# Altium PCB PCB-SM01.PcbDoc (part 1 of 4) (continued)
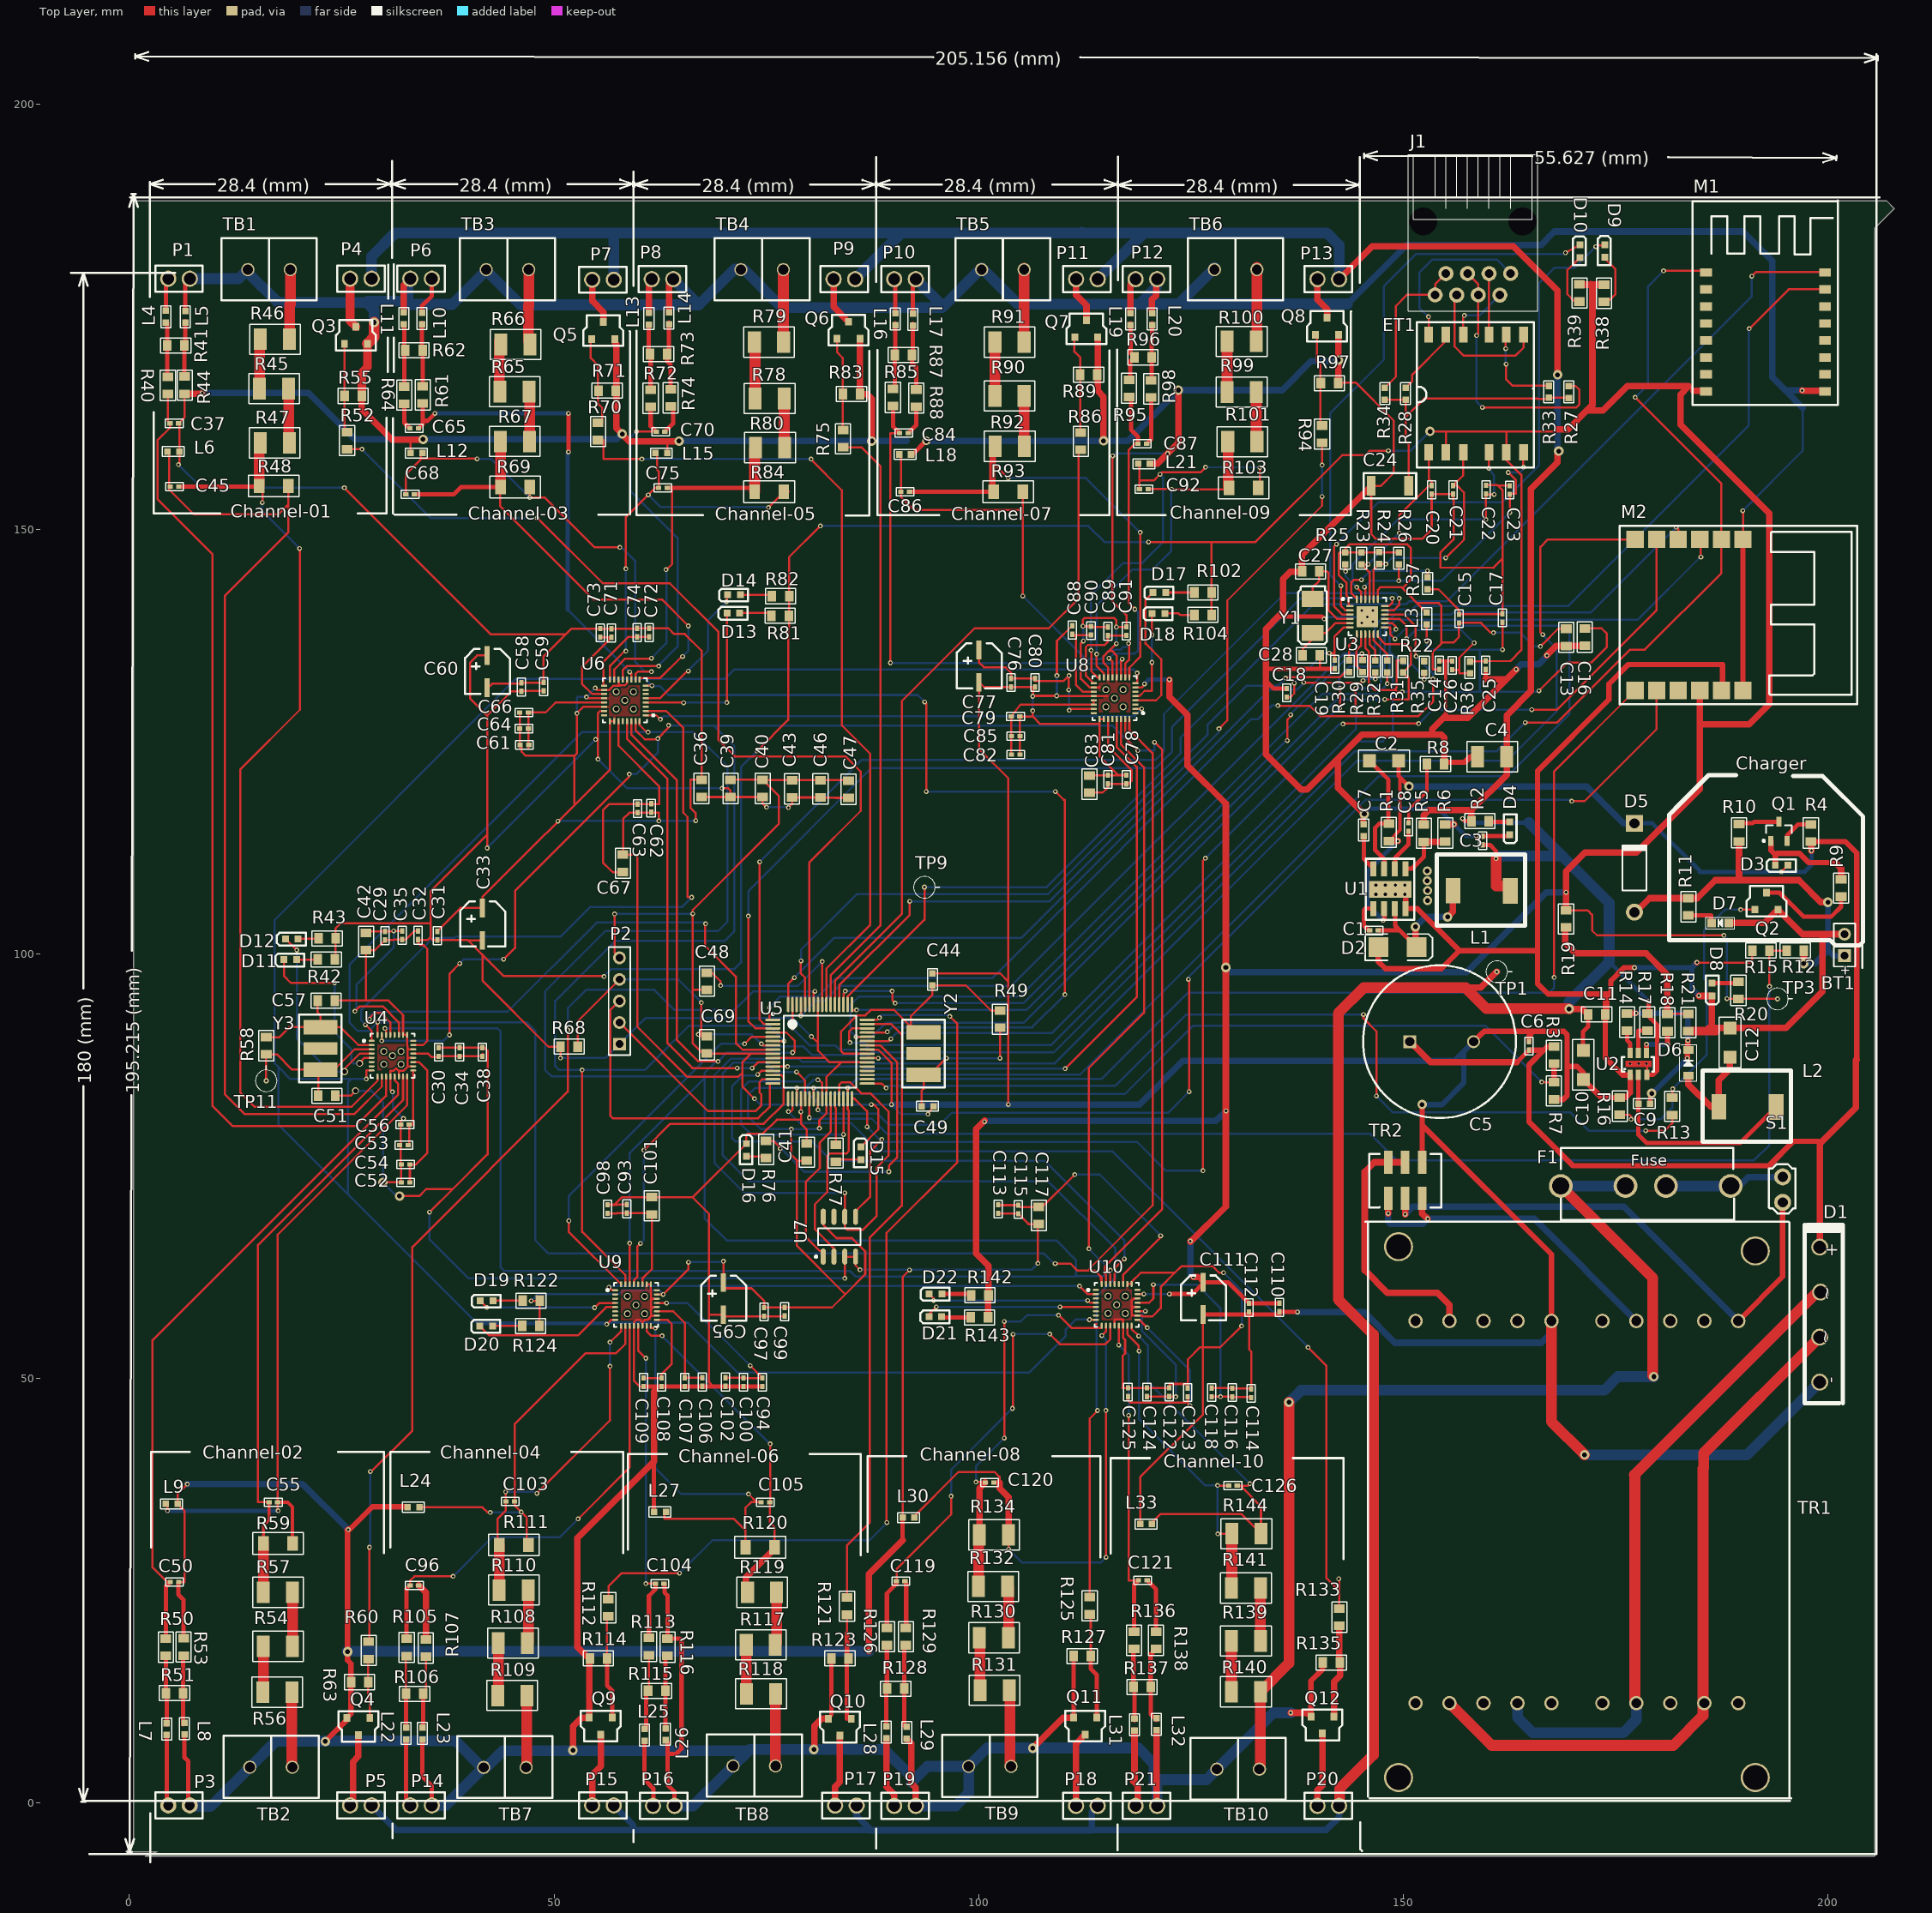
[diagram p0: Top Layer view]
## Components (designator, comment, footprint, x,y, rotation, side; value= is the part's Value field where it differs from the comment) (continued)
P5 "Header 2" BG090-header#1 28.516,-0.276 r180 top
P6 "Header 2" BG090-header#1 35.603,179.48 r180 top
P7 "Header 2" BG090-header#1 57.015,179.353 r180 top
P8 "Header 2" BG090-header#1 61.485,179.426 r0 top
P9 "Header 2" BG090-header#1 85.437,179.426 r180 top
P10 "Header 2" BG090-header#1 90.035,179.426 r0 top
P11 "Header 2" BG090-header#1 113.99,179.426 r180 top
P12 "Header 2" BG090-header#1 118.457,179.426 r0 top
P13 "Header 2" BG090-header#1 142.41,179.426 r180 top
P14 "Header 2" BG090-header#1 33.063,-0.276 r0 top
P15 "Header 2" BG090-header#1 57.015,-0.276 r180 top
P16 "Header 2" BG090-header#1 61.638,-0.33 r0 top
P17 "Header 2" BG090-header#1 85.615,-0.305 r180 top
P18 "Header 2" BG090-header#1 113.987,-0.33 r180 top
P19 "Header 2" BG090-header#1 90.035,-0.33 r0 top
P20 "Header 2" BG090-header#1 142.41,-0.33 r180 top
P21 "Header 2" BG090-header#1 118.457,-0.33 r0 top
Q1 "FMMT597" SOT-23B_L 194.204,114.415 r90 top
Q2 "MMBT2222" MMBT2222 191.38,105.202 r0 top
Q3 "MMBT2222" MMBT2222 25.315,171.826 r0 top
Q4 "MMBT2222" MMBT2222 28.295,10.015 r180 top
Q5 "MMBT2222" MMBT2222 54.428,172.371 r0 top
Q6 "MMBT2222" MMBT2222 83.303,172.41 r0 top
Q7 "MMBT2222" MMBT2222 111.303,172.593 r0 top
Q8 "MMBT2222" MMBT2222 139.642,172.872 r0 top
Q9 "MMBT2222" MMBT2222 56.836,10.061 r180 top
Q10 "MMBT2222" MMBT2222 84.987,9.939 r180 top
Q11 "MMBT2222" MMBT2222 113.866,10.061 r180 top
Q12 "MMBT2222" MMBT2222 141.807,10.193 r180 top
R1 "100K" 0805R-0R1 148.28,115.05 r270 top
R2 "150R" 0805R-68 158.237,115.609 r0 top
R3 "100K" 0805R-0R1 167.711,87.288 r90 top
R4 "47R" 0805R-0R1 197.963,114.974 r270 top
R5 "52.5K" 0805R-0R1 152.395,114.949 r270 top
R6 "10k/1%" 0805R-0R1 154.91,113.45 r90 top
R7 "27K" 0805R-0R1 167.711,83.097 r90 top
R8 "10k/1%" 0805R-0R1 154.529,122.34 r180 top
R9 "1K" 0805R-0R1 201.519,106.973 r90 top
R10 "10R" 0805R-0R1 189.505,113.476 r90 top
R11 "10R" 0805R-0R1 183.536,104.763 r90 top
R12 "57.6K" 0805R-0R1 195.347,100.369 r0 top
R13 "10K" 0805R-0R1 181.631,82.792 r270 top
R14 "0/125W" 0805R-0R1 176.322,92.724 r270 top
R15 "27K" 0805R-0R1 191.308,100.369 r0 top
R16 "10K" 0805R-0R1 175.458,81.294 r90 top
R17 "100K" 0805R-0R1 178.71,91.2 r90 top
R18 "75K/1%/.125W" 0805R-0R1 181.072,92.648 r270 top
R19 "40.2K/1%/.125W" 0805R-0R1 169.134,104.865 r270 top
R20 "60" 0805R-68 189.428,94.934 r90 top
R21 "13K" 0805R-0R1 183.536,91.149 r90 top
R22 "1.5K" 0603R-0R 149.931,133.11 r90 top
R23 "49.9" 0603R-0R 145.055,145.861 r90 top
R24 "49.9" 0603R-0R 147.137,145.886 r90 top
R25 "49.9" 0603R-0R 143.15,145.861 r90 top
R26 "49.9" 0603R-0R 149.449,145.861 r90 top
R27 "75/1%/.125W" 0603R-0R 169.464,166.841 r270 top
R28 "75/1%/.125W" 0603R-0R 150.236,165.241 r90 top
R29 "100" 0603R-0R 145.182,133.186 r90 top
R30 "100" 0603R-0R 143.607,134.558 r270 top
R31 "100" 0603R-0R 148.103,134.532 r270 top
R32 "100" 0603R-0R 146.68,134.532 r270 top
R33 "75/1%/.125W" 0603R-0R 167.102,165.469 r90 top
R34 "75/1%/.125W" 0603R-0R 147.798,166.638 r270 top
R35 "33" 0603R-0R 152.446,134.456 r270 top
R36 "4.7k" 0603R-0R 157.805,133.008 r90 top
R37 "12.1k" 0603R-0R 152.827,142.914 r90 top
R38 "60" 0805R-68 173.604,177.001 r90 top
R39 "60" 0805R-68 170.713,177.038 r90 top
R40 "1K" 0805C-GENERIC 4.516,166.155 r90 top
R41 "18.7" 0805R-10 6.218,171.616 r180 top
R42 "220" 0805C-GENERIC 22.403,99.339 r0 top
R43 "220" 0805C-GENERIC 22.504,101.803 r0 top
R44 "1K" 0805C-GENERIC 6.498,166.181 r90 top
R45 "270K/1%/ .250W" 1210R-GENERIC 18.74,166.536 r180 top
R46 "270K/1%/ .250W" 1210R-GENERIC 15.413,172.353 r0 top
R47 "270K/1%/ .250W" 1210R-GENERIC 15.388,160.161 r0 top
R48 "470/1%/.250W" 1206FB-GENERIC 15.286,155.081 r0 top
R49 "1M" 0805R-12 102.484,91.53 r90 top
R50 "1K" 0805C-GENERIC 4.288,19.115 r270 top
R51 "18.7" 0805R-10 6.066,12.942 r180 top
R52 "470" 0805R-39 25.624,159.653 r90 top
R53 "1K" 0805C-GENERIC 6.371,19.14 r270 top
R54 "270K/1%/ .250W" 1210R-GENERIC 19.198,18.454 r180 top
R55 "2K" 0805R-180 27.097,165.673 r180 top
R56 "270K/1%/ .250W" 1210R-GENERIC 15.692,13.044 r0 top
R57 "270K/1%/ .250W" 1210R-GENERIC 15.769,24.804 r0 top
R58 "1M" 0805FB-GENERIC 16.104,89.941 r270 top
R59 "470/1%/.250W" 1206FB-GENERIC 15.769,30.57 r0 top
R60 "470" 0805R-39 28.164,18.734 r270 top
R61 "1K" 0805C-GENERIC 34.514,165.038 r90 top
R62 "18.7" 0805R-10 32.736,171.057 r0 top
R63 "2K" 0805R-180 26.335,14.238 r0 top
R64 "1K" 0805C-GENERIC 32.355,165.012 r90 top
R65 "270K/1%/ .250W" 1210R-GENERIC 47.061,166.181 r180 top
R66 "270K/1%/ .250W" 1210R-GENERIC 43.731,171.729 r0 top
R67 "270K/1%/ .250W" 1210R-GENERIC 43.658,160.313 r0 top
R68 "10k" 0805R-27 52.522,89.066 r180 top
R69 "470/1%/.250W" 1206FB-GENERIC 43.709,154.954 r0 top
R70 "470" 0805R-39 55.169,160.731 r90 top
R71 "2K" 0805R-180 56.998,166.294 r180 top
R72 "1K" 0805C-GENERIC 61.362,164.631 r90 top
R73 "18.7" 0805R-10 63.063,170.6 r180 top
R74 "1K" 0805C-GENERIC 63.724,164.682 r90 top
R75 "470" 0805R-39 84.018,159.881 r90 top
R76 "220" 0805R-120 74.951,76.188 r90 top
R77 "220" 0805R-12 83.155,75.757 r90 top
R78 "270K/1%/ .250W" 1210R-GENERIC 77.084,165.368 r180 top
R79 "270K/1%/ .250W" 1210R-GENERIC 73.579,172.023 r0 top
R80 "270K/1%/ .250W" 1210R-GENERIC 73.706,159.602 r0 top
R81 "220" 0805R-10 75.844,139.802 r0 top
R82 "220" 0805R-10 75.89,142.101 r0 top
R83 "2K" 0805R-180 85.771,165.901 r180 top
R84 "470/1%/.250W" 1206FB-GENERIC 73.604,154.395 r0 top
R85 "1K" 0805C-GENERIC 89.886,164.733 r90 top
R86 "470" 0805R-39 112.009,159.577 r90 top
R87 "18.7" 0805R-10 91.867,170.499 r180 top
R88 "1K" 0805C-GENERIC 92.629,164.657 r90 top
R89 "2K" 0805R-180 113.69,168.173 r180 top
R90 "270K/1%/ .250W" 1210R-GENERIC 105.329,165.673 r180 top
R91 "270K/1%/ .250W" 1210R-GENERIC 101.9,172.023 r0 top
R92 "270K/1%/ .250W" 1210R-GENERIC 101.925,159.754 r0 top
R93 "470/1%/.250W" 1206FB-GENERIC 101.747,154.403 r0 top
R94 "470" 0805R-39 140.406,160.415 r90 top
R95 "1K" 0805C-GENERIC 117.678,165.811 r90 top
R96 "18.7" 0805R-10 120.086,170.219 r180 top
R97 "2K" 0805R-180 142.037,167.183 r180 top
R98 "1K" 0805C-GENERIC 120.29,165.749 r90 top
R99 "270K/1%/ .250W" 1210R-GENERIC 132.659,166.13 r180 top
R100 "270K/1%/ .250W" 1210R-GENERIC 129.23,172.099 r0 top
R101 "270K/1%/ .250W" 1210R-GENERIC 129.307,160.288 r0 top
R102 "220" 0805R-10 125.624,142.533 r0 top
R103 "470/1%/.250W" 1206FB-GENERIC 129.459,154.852 r0 top
R104 "220" 0805R-10 125.624,139.892 r0 top
R105 "1K" 0805C-GENERIC 32.634,19.089 r270 top
R106 "18.7" 0805R-10 34.336,12.866 r180 top
R107 "1K" 0805C-GENERIC 34.895,19.013 r270 top
R108 "270K/1%/ .250W" 1210R-GENERIC 46.858,18.835 r180 top
R109 "270K/1%/ .250W" 1210R-GENERIC 43.353,12.663 r0 top
R110 "270K/1%/ .250W" 1210R-GENERIC 43.531,25.084 r0 top
R111 "470/1%/.250W" 1206FB-GENERIC 43.556,30.392 r0 top
R112 "470" 0805R-39 56.383,23.763 r270 top
R113 "1K" 0805C-GENERIC 61.158,19.191 r270 top
R114 "2K" 0805R-180 54.453,17.032 r0 top
R115 "18.7" 0805R-10 62.835,13.222 r180 top
R116 "1K" 0805C-GENERIC 63.343,19.115 r270 top
R117 "270K/1%/ .250W" 1210R-GENERIC 76.043,18.632 r180 top
R118 "270K/1%/ .250W" 1210R-GENERIC 72.639,12.866 r0 top
R119 "270K/1%/ .250W" 1210R-GENERIC 72.766,24.804 r0 top
R120 "470/1%/.250W" 1206FB-GENERIC 75.967,30.113 r180 top
R121 "470" 0805R-39 84.476,23.941 r270 top
R122 "220" 0805C-GENERIC 46.528,59.145 r0 top
R123 "2K" 0805R-180 82.875,17.032 r0 top
R124 "220" 0805C-GENERIC 46.477,56.173 r0 top
R125 "470" 0805R-39 113.051,23.991 r270 top
R126 "1K" 0805C-GENERIC 89.175,20.359 r270 top
R127 "2K" 0805R-180 111.4,17.311 r0 top
R128 "18.7" 0805R-10 90.973,13.464 r180 top
R129 "1K" 0805C-GENERIC 91.41,20.359 r270 top
R130 "270K/1%/ .250W" 1210R-GENERIC 103.495,19.459 r180 top
R131 "270K/1%/ .250W" 1210R-GENERIC 100.143,13.286 r0 top
R132 "270K/1%/ .250W" 1210R-GENERIC 99.965,25.504 r0 top
R133 "470" 0805R-39 142.438,22.645 r270 top
R134 "470/.1%/.5W" 1210C-GENERIC 100.066,31.574 r0 top
R135 "2K" 0805R-180 140.737,16.549 r0 top
R136 "1K" 0805C-GENERIC 118.278,19.916 r270 top
R137 "18.7" 0805R-10 119.98,13.667 r180 top
R138 "1K" 0805C-GENERIC 120.869,19.916 r270 top
R139 "270K/1%/ .250W" 1210R-GENERIC 133.163,19.078 r180 top
R140 "270K/1%/ .250W" 1210R-GENERIC 129.734,13.109 r0 top
R141 "270K/1%/ .250W" 1210R-GENERIC 129.734,25.326 r0 top
R142 "220" 0805C-GENERIC 99.36,59.78 r0 top
R143 "220" 0805C-GENERIC 99.309,57.189 r0 top
R144 "470/.1%/.5W" 1210C-GENERIC 129.789,31.713 r0 top
S1 "Power On" PowerSwitch220v/5A 194.635,73.725 r270 top
TB1 "TerminalBlock" "Terminal Block 2x5mm" 18.944,180.557 r180 top
TB2 "TerminalBlock" "Terminal Block 2x5mm" 19.168,4.23 r180 top
TB3 "TerminalBlock" "Terminal Block 2x5mm" 47.007,180.557 r180 top
TB4 "TerminalBlock" "Terminal Block 2x5mm" 76.983,180.557 r180 top
TB5 "TerminalBlock" "Terminal Block 2x5mm" 105.329,180.557 r180 top
TB6 "TerminalBlock" "Terminal Block 2x5mm" 132.736,180.557 r180 top
TB7 "TerminalBlock" "Terminal Block 2x5mm" 46.701,4.193 r180 top
TB8 "TerminalBlock" "Terminal Block 2x5mm" 76.06,4.371 r180 top
TB9 "TerminalBlock" "Terminal Block 2x5mm" 103.796,4.32 r180 top
TB10 "TerminalBlock" "Terminal Block 2x5mm" 133.032,3.99 r180 top
TP1 "TESTPOINT" TESTPOINT 160.98,97.88 r0 top
TP3 "TESTPOINT" TESTPOINT 194.026,94.68 r0 top
TP9 "TESTPOINT" TESTPOINT 93.594,107.837 r0 top
TP11 "TESTPOINT" TESTPOINT 16.104,85.039 r90 top
TR1 "PU3923B-Tr220-12-2.5A" Transform220/110-12/3 151.411,56.76 r0 top
TR2 "Tr-Switch" "6-pins Molex2x3-5Ahm" 152.195,75.444 r180 top
U1 "Comment" MP2403 150.247,109.985 r180 top
U2 "MP1470" MP1470 176.703,85.734 r0 top
U3 "LAN8720" QFN24_4X4_M 145.74,139.688 r0 top
U4 "STPM34" 32M1-A_L#1 30.958,87.999 r0 top
U5 "PIC32MX795" TQFP-PT64_N 81.305,88.468 r0 top
U6 "STPM34" 32M1-A_L#2 58.321,129.822 r180 top
U7 "23LCV1024" SO8_L 83.587,66.689 r90 top
U8 "STPM34" 32M1-A_L#3 115.972,130.087 r180 top
U9 "STPM34" 32M1-A_L#4 59.634,58.637 r0 top
U10 "STPM34" 32M1-A_L#4 116.226,58.662 r0 top
Y1 "25 MHz" 25Mhz-oscl 139.289,137.771 r90 top
Y2 "8Mhz" CeramicResonator8-16MHZ 93.493,85.753 r90 top
Y3 "16Mhz" CeramicResonator8-16MHZ 22.474,91.352 r270 top

## Footprints (in the part's own frame and the unit in brackets; to place one, negate y for a bottom-side part, rotate by r counter-clockwise, add the part's x,y. Pads: shape width x height; smd on the part's side, far side on the other; paste and mask are expansions set on the pad)
"6-pins Molex2x3-5Ahm" [mm] "current transformer"
  round 0 all layers, no hole: 0(3,2.1) 4(1,2.1)
  rect 1x2.75 smd: 1(0,0) 2(2,0) 3(4,0) 4(4,4.25) 5(2,4.25) 6(0,4.25)
  silkscreen extent -2.25,-1 6.25,5.3
25Mhz-oscl [mm]
  rect 1.9x2.6 smd: 1(0,0) 2(4,0)
  silkscreen extent -1.3,-1.7 5.5,1.7
32M1-A_L#1 [mm] "32-Pin Quad Flat No-Lead 0.5 mm Pitch, IPC High Density"
  oval 0.7x0.25 smd: 1(-2.45,1.75) 2(-2.45,1.25) 3(-2.45,0.75) 4(-2.45,0.25) 5(-2.45,-0.25) 6(-2.45,-0.75) 7(-2.45,-1.25) 8(-2.45,-1.75) 17(2.45,-1.75) 18(2.45,-1.25) 19(2.45,-0.75) 20(2.45,-0.25) 21(2.45,0.25) 22(2.45,0.75) 23(2.45,1.25) 24(2.45,1.75)
  oval 0.25x0.7 smd: 9(-1.75,-2.45) 10(-1.25,-2.45) 11(-0.75,-2.45) 12(-0.25,-2.45) 13(0.25,-2.45) 14(0.75,-2.45) 15(1.25,-2.45) 16(1.75,-2.45) 25(1.75,2.45) 26(1.25,2.45) 27(0.75,2.45) 28(0.25,2.45) 29(-0.25,2.45) 30(-0.75,2.45) 31(-1.25,2.45) 32(-1.75,2.45)
  round 0.813 hole 0.559: 33(-1.016,-1.016) 33(-1.016,0.508) 33(0,0) 33(1.016,-1.016) 33(1.016,0.508)
  silkscreen extent -3.47,-2.6 2.6,2.6, body extent -2.58,-2.58 2.58,2.58, height 1
32M1-A_L#2 [mm] "32-Pin Quad Flat No-Lead 0.5 mm Pitch, IPC High Density"
  rect 0.7x0.25 smd: 1(-2.45,1.75) 2(-2.45,1.25) 3(-2.45,0.75) 4(-2.45,0.25) 5(-2.45,-0.25) 6(-2.45,-0.75) 7(-2.45,-1.25) 8(-2.45,-1.75) 17(2.45,-1.75) 18(2.45,-1.25) 19(2.45,-0.75) 20(2.45,-0.25) 21(2.45,0.25) 22(2.45,0.75) 23(2.45,1.25) 24(2.45,1.75)
  rect 0.25x0.7 smd: 9(-1.75,-2.45) 10(-1.25,-2.45) 11(-0.75,-2.45) 12(-0.25,-2.45) 13(0.25,-2.45) 14(0.75,-2.45) 15(1.25,-2.45) 16(1.75,-2.45) 25(1.75,2.45) 26(1.25,2.45) 27(0.75,2.45) 28(0.25,2.45) 29(-0.25,2.45) 30(-0.75,2.45) 31(-1.25,2.45) 32(-1.75,2.45)
  round 0.813 hole 0.559: 33(-1.016,1.016) 33(-1.016,-1.016) 33(0,0) 33(1.016,1.016) 33(1.016,-1.016)
  silkscreen extent -3.48,-2.6 2.6,2.6, body extent -2.58,-2.58 2.58,2.58, height 1
32M1-A_L#3 [mm] "32-Pin Quad Flat No-Lead 0.5 mm Pitch, IPC High Density"
  rect 0.7x0.25 smd: 1(-2.45,1.75) 2(-2.45,1.25) 3(-2.45,0.75) 4(-2.45,0.25) 5(-2.45,-0.25) 6(-2.45,-0.75) 7(-2.45,-1.25) 8(-2.45,-1.75) 17(2.45,-1.75) 18(2.45,-1.25) 19(2.45,-0.75) 21(2.45,0.25) 22(2.45,0.75) 23(2.45,1.25) 24(2.45,1.75)
  rect 0.25x0.7 smd: 9(-1.75,-2.45) 10(-1.25,-2.45) 11(-0.75,-2.45) 12(-0.25,-2.45) 13(0.25,-2.45) 14(0.75,-2.45) 15(1.25,-2.45) 16(1.75,-2.45) 25(1.75,2.45) 26(1.25,2.45) 27(0.75,2.45) 28(0.25,2.45) 29(-0.25,2.45) 30(-0.75,2.45) 31(-1.25,2.45) 32(-1.75,2.45)
  oval 0.7x0.25 smd: 20(2.45,-0.25)
  round 0.813 hole 0.559: 33(-1.016,1.016) 33(-1.016,-1.016) 33(0,0) 33(1.016,1.016) 33(1.016,-1.016)
  silkscreen extent -3.48,-2.6 2.6,2.6, body extent -2.58,-2.58 2.58,2.58, height 1
32M1-A_L#4 [mm] "32-Pin Quad Flat No-Lead 0.5 mm Pitch, IPC High Density"
  oval 0.7x0.25 smd: 1(-2.45,1.75) 2(-2.45,1.25) 3(-2.45,0.75) 4(-2.45,0.25) 5(-2.45,-0.25) 6(-2.45,-0.75) 7(-2.45,-1.25) 8(-2.45,-1.75) 17(2.45,-1.75) 18(2.45,-1.25) 19(2.45,-0.75) 20(2.45,-0.25) 21(2.45,0.25) 22(2.45,0.75) 23(2.45,1.25) 24(2.45,1.75)
  oval 0.25x0.7 smd: 9(-1.75,-2.45) 10(-1.25,-2.45) 11(-0.75,-2.45) 12(-0.25,-2.45) 13(0.25,-2.45) 14(0.75,-2.45) 15(1.25,-2.45) 16(1.75,-2.45) 25(1.75,2.45) 26(1.25,2.45) 27(0.75,2.45) 28(0.25,2.45) 29(-0.25,2.45) 30(-0.75,2.45) 31(-1.25,2.45) 32(-1.75,2.45)
  round 0.813 hole 0.559: 33(-1.016,-1.016) 33(-1.016,1.016) 33(0,0) 33(1.016,-1.016) 33(1.016,1.016)
  silkscreen extent -3.47,-2.6 2.6,2.6, body extent -2.58,-2.58 2.58,2.58, height 1
100uF/10V [mm] "Nichicon"
  rect 0.6x2.2 smd: 1(0,0) 2(0,3.8)
  silkscreen extent -2.6,-0.7 2.7,4.6
0402C-GENERIC [mil]
  rect 25x20 smd: 1(0,0) 2(40,0)
  silkscreen extent -21,-19 61,19
0603C-2U2 [mil] "CAPACITOR 0603"
  rect 30x30 smd: 1(0,0) 2(55,0)
  silkscreen extent -23,-23 78,23, body extent -4,-15 59,15, height 19
0603C-GENERIC [mil] "CAPACITOR 0603"
  rect 30x30 smd: 1(0,0) 2(55,0)
  silkscreen extent -23,-23 78,23, body extent -4,-15 59,15, height 19
0603C-TBD [mil] "CAPACITOR 0603 TBD"
  rect 30x30 smd: 1(0,0) 2(55,0)
  silkscreen extent -23,-23 78,23, body extent -4,-15 59,15, height 19
0603R-0R [mil] "RESISTOR 0603"
  rect 30x30 smd: 1(0,0) 2(55,0)
  silkscreen extent -23,-23 78,23, body extent -4,-15 59,15, height 20
0805C-GENERIC [mil] "CAPACITOR 0805"
  rect 40x50 smd: 1(-10,0) 2(70,0)
  silkscreen extent -40,-35 100,35, body extent -11,-25 70,25, height 26
0805C-TBD [mil] "CAPACITOR 0805"
  rect 40x50 smd: 1(-10,0) 2(70,0)
  silkscreen extent -40,-35 100,35, body extent -11,-25 70,25, height 26
0805FB-GENERIC [mil] "FERRITE BEAD 0805"
  rect 40x50 smd: 1(-10,0) 2(70,0)
  silkscreen extent -40,-35 100,35, body extent -11,-25 70,25, height 26
0805R-0R1 [mil] "RESISTOR 0805"
  rect 40x50 smd: 1(-10,0) 2(70,0)
  silkscreen extent -40,-35 100,35, body extent -11,-25 70,25, height 27
0805R-10 [mil] "RESISTOR 0805"
  rect 40x50 smd: 1(-10,0) 2(70,0)
  silkscreen extent -40,-35 100,35, body extent -11,-25 70,25, height 27
0805R-12 [mil] "RESISTOR 0805"
  rect 40x50 smd: 1(-10,0) 2(70,0)
  silkscreen extent -40,-35 100,35, body extent -11,-25 70,25, height 27
0805R-27 [mil] "RESISTOR 0805"
  rect 40x50 smd: 1(-10,0) 2(70,0)
  silkscreen extent -40,-35 100,35, body extent -11,-25 70,25, height 27
0805R-39 [mil] "RESISTOR 0805"
  rect 40x50 smd: 1(-10,0) 2(70,0)
  silkscreen extent -40,-35 100,35, body extent -11,-25 70,25, height 27
0805R-68 [mil] "RESISTOR 0805"
  rect 40x50 smd: 1(-10,0) 2(70,0)
  silkscreen extent -40,-35 100,35, body extent -11,-25 70,25, height 27
0805R-120 [mil] "RESISTOR 0805"
  rect 40x50 smd: 1(-10,0) 2(70,0)
  silkscreen extent -40,-35 100,35, body extent -11,-25 70,25, height 27
0805R-180 [mil] "RESISTOR 0805"
  rect 40x50 smd: 1(-10,0) 2(70,0)
  silkscreen extent -40,-35 100,35, body extent -11,-25 70,25, height 27
1206C-GENERIC [mil]
  rect 60x60 smd: 1(0,0) 2(135,0)
  silkscreen extent -50,-50 185,50, body extent -8,-29 147,29, height 46
1206FB-GENERIC [mm] "FERRITE BEAD 1206"
  rect 1.25x1.7 smd: 1(0,0) 2(3.429,0)
  silkscreen extent -1.27,-1.27 4.7,1.27, body extent 0.11,-0.81 3.31,0.8, height 1.55
1210C-GENERIC [mil]
  rect 60x100 smd: 1(0,0) 2(135,0)
  silkscreen extent -50,-70 185,70, body extent -10,-50 145,50, height 46
1210R-GENERIC [mil]
  rect 60x100 smd: 1(0,0) 2(135,0)
  silkscreen extent -50,-70 185,70
1808 [mm]
  rect 1.05x2.3 smd: 1(0,0) 2(4.4,0)
  silkscreen extent -0.9,-1.5 5.27,1.5
2200uF-Nichicon [mil]
  rect 60x60 hole 43.31: 1(0,0)
  round 60 hole 43.31: 2(295.28,0)
  silkscreen extent -217,-354 492,354
BAT-2 [mm] "Battery; 2 Leads"
  rect 1.5x1.5 hole 0.9: 1(-1.27,0)
  round 1.5 hole 0.9: 2(1.27,0)
  silkscreen extent -2.54,-1.27 2.54,1.27
BG090-header#1 [mil]
  round 75 hole 55: 1(0,0) 2(100,0)
  silkscreen extent -60,-60 160,60
BG090-header#2 [mil]
  round 74.8 hole 46.85: 1(0,0) 2(100,0)
  silkscreen extent -60,-60 160,60
CeramicResonator8-16MHZ [mm]
  rect 1.7x4 smd: 1(0,0) 2(5,0)
  rect 1.5x4 smd: 3(2.5,0)
  silkscreen extent -1.5,-2.5 6.5,2.5
"DiodeBridge-Vishay 21x4" [mm]
  round 2 hole 1.5: 1(0,0) 2(5.3,0.1) 3(10.6,0) 4(15.9,0)
  silkscreen extent -2.6,-1.8 18.4,2.7
DO-41 [mm] "Diode, Axial; Body 5.2 x 2.7 mm (LxDia. max), Lead Dia. 0.86 mm (max)"
  round 2 hole 1.2: 1(-5.23,0)
  rect 2x2 hole 1.2: 2(5.23,0)
  silkscreen extent -2.65,-1.4 2.75,1.4
"ESP 8266-12E" [mm]
  rect 1.4x1 smd: 1(0,0) 2(0,-2) 3(0,-4) 4(0,-6) 5(0,-8) 6(0,-10) 7(0,-12) 8(0,-14) 15(14,-14) 16(14,-12) 17(14,-10) 18(14,-8) 19(14,-6) 20(14,-4) 21(14,-2) 22(14,0)
  silkscreen extent -1.6,-15.6 15.5,8.5
"FuseHolder - duplicate" [mil]
  round 110 hole 80: 1(0,0) 1(300,0) 2(487.4,0) 2(787.4,0)
  silkscreen extent 0,-157 803,177
HDR1X5 [mm] "Connector; Header; 5 Position"
  rect 1.5x1.5 hole 0.9: 1(0,0)
  round 1.5 hole 0.9: 2(2.54,0) 3(5.08,0) 4(7.62,0) 5(10.16,0)
  silkscreen extent -1.27,-1.27 11.43,1.27
HX1224-NL [mil] "Pulse trans"
  rect 40x75 smd: 1(0,0) 2(80,0) 3(160,0) 4(280,0) 5(360,0) 6(440,0) 7(440,545) 8(360,545) 9(280,545) 10(160,545) 11(80,545) 12(0,545)
  silkscreen extent -55,-71 488,602
LED-SM [mm]
  rect 0.8x0.8 smd: 1(0,0) 2(1.5,0)
  silkscreen extent -0.9,-0.7 2.5,0.8
MMBT2222 [mm]
  rect 0.8x0.9 smd: B(0,0) C(1.35,2) E(2.7,0)
  silkscreen extent -1,-0.8 3.7,2.8
MP1470 [mm] "Power  Supply IC"
  rect 0.6x1.2 smd: 1(0,0) 2(0.95,0) 3(1.95,0) 4(1.9,2.6) 5(0.95,2.6) 6(0,2.6)
  round 0.305 hole 0.305: 3(0,1.3) 3(1,1.3) 3(1.9,1.3)
  Top Layer region: -0.6,0.9 2.5,0.9 2.5,1.7 -0.6,1.7
  silkscreen extent -1,0.4 2.8,2.1
MP2403 [mil]
  rect 28x70 smd: 1(150,185) 2(100,185) 3(50,185) 4(0,185) 5(0,0) 6(50,0) 7(100,0) 8(150,0)
  rect 196.85x78.74 smd: 4(70.87,94.49)
  round 25 hole 15: 10(3.94,74.8) 11(47.24,74.8) 12(94.49,74.8) 13(137.8,74.8) 14(137.8,118.11) 15(94.49,118.11) 16(47.24,118.11) 17(3.94,118.11)
  silkscreen extent -39,-47 185,236
"MRF24J40MA-zigBEE module" [mil]
  rect 80x80 smd: 1(0,500) 2(0,400) 3(0,300) 4(0,200) 5(0,100) 6(0,0) 7(700,0) 8(700,100) 9(700,200) 10(700,300) 11(700,400) 12(700,500)
  silkscreen extent -63,-71 764,1029
"Murata 15uH inductor" [mm]
  rect 1.75x3 smd: 1(0,0.025) 2(6.75,0)
  silkscreen extent -1.9,-4.1 8.5,4.3
PowerSwitch220v/5A [mm]
  round 2 hole 1.2: 1(0,0) 2(3,0)
  silkscreen extent -1.5,-1.6 4.3,1.5
QFN24_4X4_M [mm] "QFN, 24-Leads, Body 4x4mm, Pitch 0.5mm, IPC Low Density"
  oval 0.9x0.25 smd: 1(-2.05,1.25) 2(-2.05,0.75) 3(-2.05,0.25) 4(-2.05,-0.25) 5(-2.05,-0.75) 6(-2.05,-1.25) 13(2.05,-1.25) 14(2.05,-0.75) 15(2.05,-0.25) 16(2.05,0.25) 17(2.05,0.75) 18(2.05,1.25)
  oval 0.25x0.9 smd: 7(-1.25,-2.05) 8(-0.75,-2.05) 9(-0.25,-2.05) 10(0.25,-2.05) 11(0.75,-2.05) 12(1.25,-2.05) 19(1.25,2.05) 20(0.75,2.05) 21(0.25,2.05) 22(-0.25,2.05) 23(-0.75,2.05) 24(-1.25,2.05)
  rect 2.5x2.5 smd: 25(0,0)
  silkscreen extent -3,-2.22 2.23,2.22, body extent -2.07,-2.07 2.07,2.07, height 1
RJ45-8/8 [mil]
  round 70 hole 40: 1(-100,350) 2(1,300) 3(-99,250) 4(0,200) 5(-99,150) 6(1,100) 7(-99,50) 8(0,0)
  round 110 hole 129.92 unplated: A(-340,-55) B(-340,405)
  silkscreen extent -650,-125 75,475
SMB [mm] "DO-214-AA/SMB; 2 C-Bend Leads; Body 5.3 x 3.6 mm, inc. leads (LxW)"
  rect 2.3x2.3 smd: 1(-2.25,0) 2(2.25,0)
  silkscreen extent -3.8,-1.55 4.1,1.55
SO8_L [mm] "SOIC, 8-Leads, Body 4.9x3.9mm, Pitch 1.27mm, IPC High Density"
  oval 1.9x0.6 smd: 1(-2.35,1.905) 2(-2.35,0.635) 3(-2.35,-0.635) 4(-2.35,-1.905) 5(2.35,-1.905) 6(2.35,-0.635) 7(2.35,0.635) 8(2.35,1.905)
  silkscreen extent -2.47,-2.5 1,2.88, body extent -2,-2.5 2,2.5, height 1.75
SOD323 [mm]
  rect 1x1 smd: A(0,0) K(-2,0)
  silkscreen extent -2.69,-0.69 0.71,0.69, body extent -2.23,-0.65 0.18,0.65, height 0.74
sod-123 [mm]
  rect 0.9x1.2 smd: A(3.048,0) K(0,0)
  silkscreen extent -0.63,-1.02 3.68,1.02, body extent -0.18,-0.87 3.3,0.87, height 0.79
SOT-23B_L [mm] "SOT23, 3-Leads, Body 2.9x1.3mm, Pitch 0.95mm, Lead Span 2.4mm, IPC High Density"
  rect 1.15x0.6 smd: 1(-1.125,0.95) 2(-1.125,-0.95) 3(1.125,0)
  silkscreen extent -1.25,-1.5 0.7,1.92, body extent -0.7,-1.5 0.7,1.5, height 1.14
"Terminal Block 2x5mm" [mm]
  round 1.55 hole 1.2: 1(0,0) 2(5,0)
  silkscreen extent -3.1,-3.7 8.1,3.6
TESTPOINT [mil]
  round 24 hole 12: 1(0,0)
  silkscreen extent -50,-50 70,50, body extent -54,-52 54,52, height 254
TQFP-PT64_N [mm] "Thin QFP, 64-Leads, Body 10x10mm, Pitch 0.5mm, IPC Medium Density"
  oval 1.8x0.3 smd: 1(-5.55,3.75) 2(-5.55,3.25) 3(-5.55,2.75) 4(-5.55,2.25) 5(-5.55,1.75) 6(-5.55,1.25) 7(-5.55,0.75) 8(-5.55,0.25) 9(-5.55,-0.25) 10(-5.55,-0.75) 11(-5.55,-1.25) 12(-5.55,-1.75) 13(-5.55,-2.25) 14(-5.55,-2.75) 15(-5.55,-3.25) 16(-5.55,-3.75) 33(5.55,-3.75) 34(5.55,-3.25) 35(5.55,-2.75) 36(5.55,-2.25) 37(5.55,-1.75) 38(5.55,-1.25) 39(5.55,-0.75) 40(5.55,-0.25) 41(5.55,0.25) 42(5.55,0.75) 43(5.55,1.25) 44(5.55,1.75) 45(5.55,2.25) 46(5.55,2.75) 47(5.55,3.25) 48(5.55,3.75)
  oval 0.3x1.8 smd: 17(-3.75,-5.55) 18(-3.25,-5.55) 19(-2.75,-5.55) 20(-2.25,-5.55) 21(-1.75,-5.55) 22(-1.25,-5.55) 23(-0.75,-5.55) 24(-0.25,-5.55) 25(0.25,-5.55) 26(0.75,-5.55) 27(1.25,-5.55) 28(1.75,-5.55) 29(2.25,-5.55) 30(2.75,-5.55) 31(3.25,-5.55) 32(3.75,-5.55) 49(3.75,5.55) 50(3.25,5.55) 51(2.75,5.55) 52(2.25,5.55) 53(1.75,5.55) 54(1.25,5.55) 55(0.75,5.55) 56(0.25,5.55) 57(-0.25,5.55) 58(-0.75,5.55) 59(-1.25,5.55) 60(-1.75,5.55) 61(-2.25,5.55) 62(-2.75,5.55) 63(-3.25,5.55) 64(-3.75,5.55)
  silkscreen extent -5.67,-4.25 4.25,4.57, body extent -5,-5 5,5, height 1.2
Transform220/110-12/3 [mil]
  round 135 hole 115: 1(-78.74,-2116.14) 1(-78.74,344.49) 1(1574.8,-2116.14) ""(1574.8,324.8)
  round 67 hole 47: 1(1496.06,0) 2(1338.58,0) 3(1181.1,0) 4(1023.62,0) 5(866.14,0) 6(629.92,0) 7(472.44,0) 8(314.96,0) 9(157.48,0) 10(0,0) 10(1496.06,-1771.65) 11(0,-1771.65) 12(157.48,-1771.65) 13(314.96,-1771.65) 14(472.44,-1771.65) 15(629.92,-1771.65) 16(866.14,-1771.65) 17(1023.62,-1771.65) 18(1181.1,-1771.65) 19(1338.58,-1771.65)
  silkscreen extent -232,-2213 1740,461

## Part data
BT1: library part Battery, "Multicell Battery"
C1 C3 C6 C7 C8 C9 C14 C15 C17 C26: library part Cap, "Capacitor"
C2 C4 C10 C12: library part 94SS685X0016ABP, "Solid Aluminum Capacitor with Organic Semiconductor Electrolyte: 6.8uF, 16V, Bulk Pack"
C5: library part "Cap Pol1", "Polarized Capacitor (Radial)"
C13 C16 C18 C30 C33 C42 C60 C61 C67 C77 C79 C83 C94 C95 C101 C111 C114 C117: library part "Cap Pol3", "Polarized Capacitor (Surface Mount)"
C19 C20 C21 C22 C23 C24 C25 C27 C28 C29 C31 C32 C34 C35 C36 C37 C38 C39 C40 C41 C43 C44 C45 C46 C47 C48 C49 C50 C51 C52 C53 C54 C55 C56 C57 C58 C59 C62 C63 C64 C65 C66 C68 C69 C70 C71 C72 C73 C74 C75 C76 C78 C80 C81 C82 C84 C85 C86 C87 C88 C89 C90 C91 C92 C93 C96 C97 C98 C99 C100 C102 C103 C104 C105 C106 C107 C108 C109 C110 C112 C113 C115 C116 C118 C119 C120 C121 C122 C123 C124 C125 C126: library part 0805C-18PF-50V-C0G-JOH, "CAPACITOR 0805 CERAMIC"
D2: library part "D Schottky", "Schottky Diode"
D3 D4 D8 D9 D10: library part LED2, "Typical RED, GREEN, YELLOW, AMBER GaAs LED"
D5: library part "Diode 1N4007", "1 Amp General Purpose Rectifier"
D7: "Zener Diode"
D11 D12 D13 D14 D15 D16 D17 D18 D19 D20 D21 D22: "Typical RED, GREEN, YELLOW, AMBER GaAs LED"
F1: library part "Fuse 2", "Fuse"
J1: "GENERIC RJ45 CONNECTOR 8 PIN"
L3: library part 1U-1239AS-TOKO, "1239AS-H-1R0N"
L5 L6 L7 L8 L9 L10 L11 L12 L13 L14 L15 L16 L17 L18 L19 L20 L21 L22 L23 L24 L25 L26 L27 L28 L29 L30 L31 L32 L33: library part FerrBeads/ILBB
P1 P3 P4 P5 P6 P7 P8 P9 P10 P11 P12 P13 P14 P15 P16 P17 P18 P19 P20 P21: "Header, 2-Pin"
P2: "Header, 5-Pin"
Q1: library part PNP, "PNP Bipolar Transistor"
Q2 Q3 Q4 Q5 Q6 Q7 Q8 Q9 Q10 Q11 Q12: "BC847 SMALL SIGNAL NPN TRANSISTOR"
R1 R2 R3 R4 R5 R6 R7 R8 R9 R10 R11 R12 R13 R14 R15 R16 R17 R18 R19 R20 R21 R22 R23 R24 R25 R26 R27 R28 R29 R30 R31 R32 R33 R34 R35 R36 R37 R38 R39 R40 R41 R42 R43 R44 R45 R46 R47 R48 R49 R50 R51 R52 R53 R54 R55 R56 R57 R58 R59 R60 R61 R62 R63 R64 R65 R66 R67 R68 R69 R70 R71 R72 R73 R74 R75 R76 R77 R78 R79 R80 R81 R82 R83 R84 R85 R86 R87 R88 R89 R90 R91 R92 R93 R94 R95 R96 R97 R98 R99 R100 R101 R102 R103 R104 R105 R106 R107 R108 R109 R110 R111 R112 R113 R114 R115 R116 R117 R118 R119 R120 R121 R122 R123 R124 R125 R126 R127 R128 R129 R130 R131 R132 R133 R134 R135 R136 R137 R138 R139 R140 R141 R142 R143 R144: library part Res3, "Resistor"
S1: library part "WS-PBTL, 465RG11172501", "WS-PBTL Illuminated THT Push button Switch"
TB1 TB2 TB3 TB4 TB5 TB6 TB7 TB8 TB9 TB10: library part "Header 2", "Header, 2-Pin"
TP1 TP3 TP9 TP11: "TESTPOINT SCOPE GRABBER"
U5: library part PIC32MX534F064F
Y1: library part CRYSTAL-GENERIC, "GENERIC CRYSTAL"
Y2 Y3: library part XTAL, "Crystal Oscillator"

## Free pads (board coordinates)
  round 0.559 hole 0.305: 1(145.059,138.963) 1(145.085,140.411) 1(146.38,140.437) 1(146.406,139.09)
  round 1.067 hole 0.559: 1(152.802,108.599) 1(152.802,109.742) 1(152.832,106.274) 1(152.832,107.442)

## Via types
v1: diameter 0.559, hole 0.305, Top Layer to Bottom Layer, 383 vias
v2: diameter 1.118, hole 0.559, Top Layer to Bottom Layer, 31 vias
v3: diameter 0.813, hole 0.559, Top Layer to Bottom Layer, 3 vias
v4: diameter 0.965, hole 0.559, Top Layer to Bottom Layer, 1 vias